# Altium PCB DB31.PcbDoc (part 3 of 8)
Units mil, origin at the board's own origin, x right, y up, seen from the top; angles counter-clockwise.
Board outline 3236.22 x 4456.69 mil, 8 copper layers (Top Layer, MidLayer1, MidLayer2, GND-Layer5, MidLayer3, VCC, MidLayer4, Bottom Layer), stack 61.8 mil thick; 226 components, 469 nets, 1815 pads, 1562 vias.
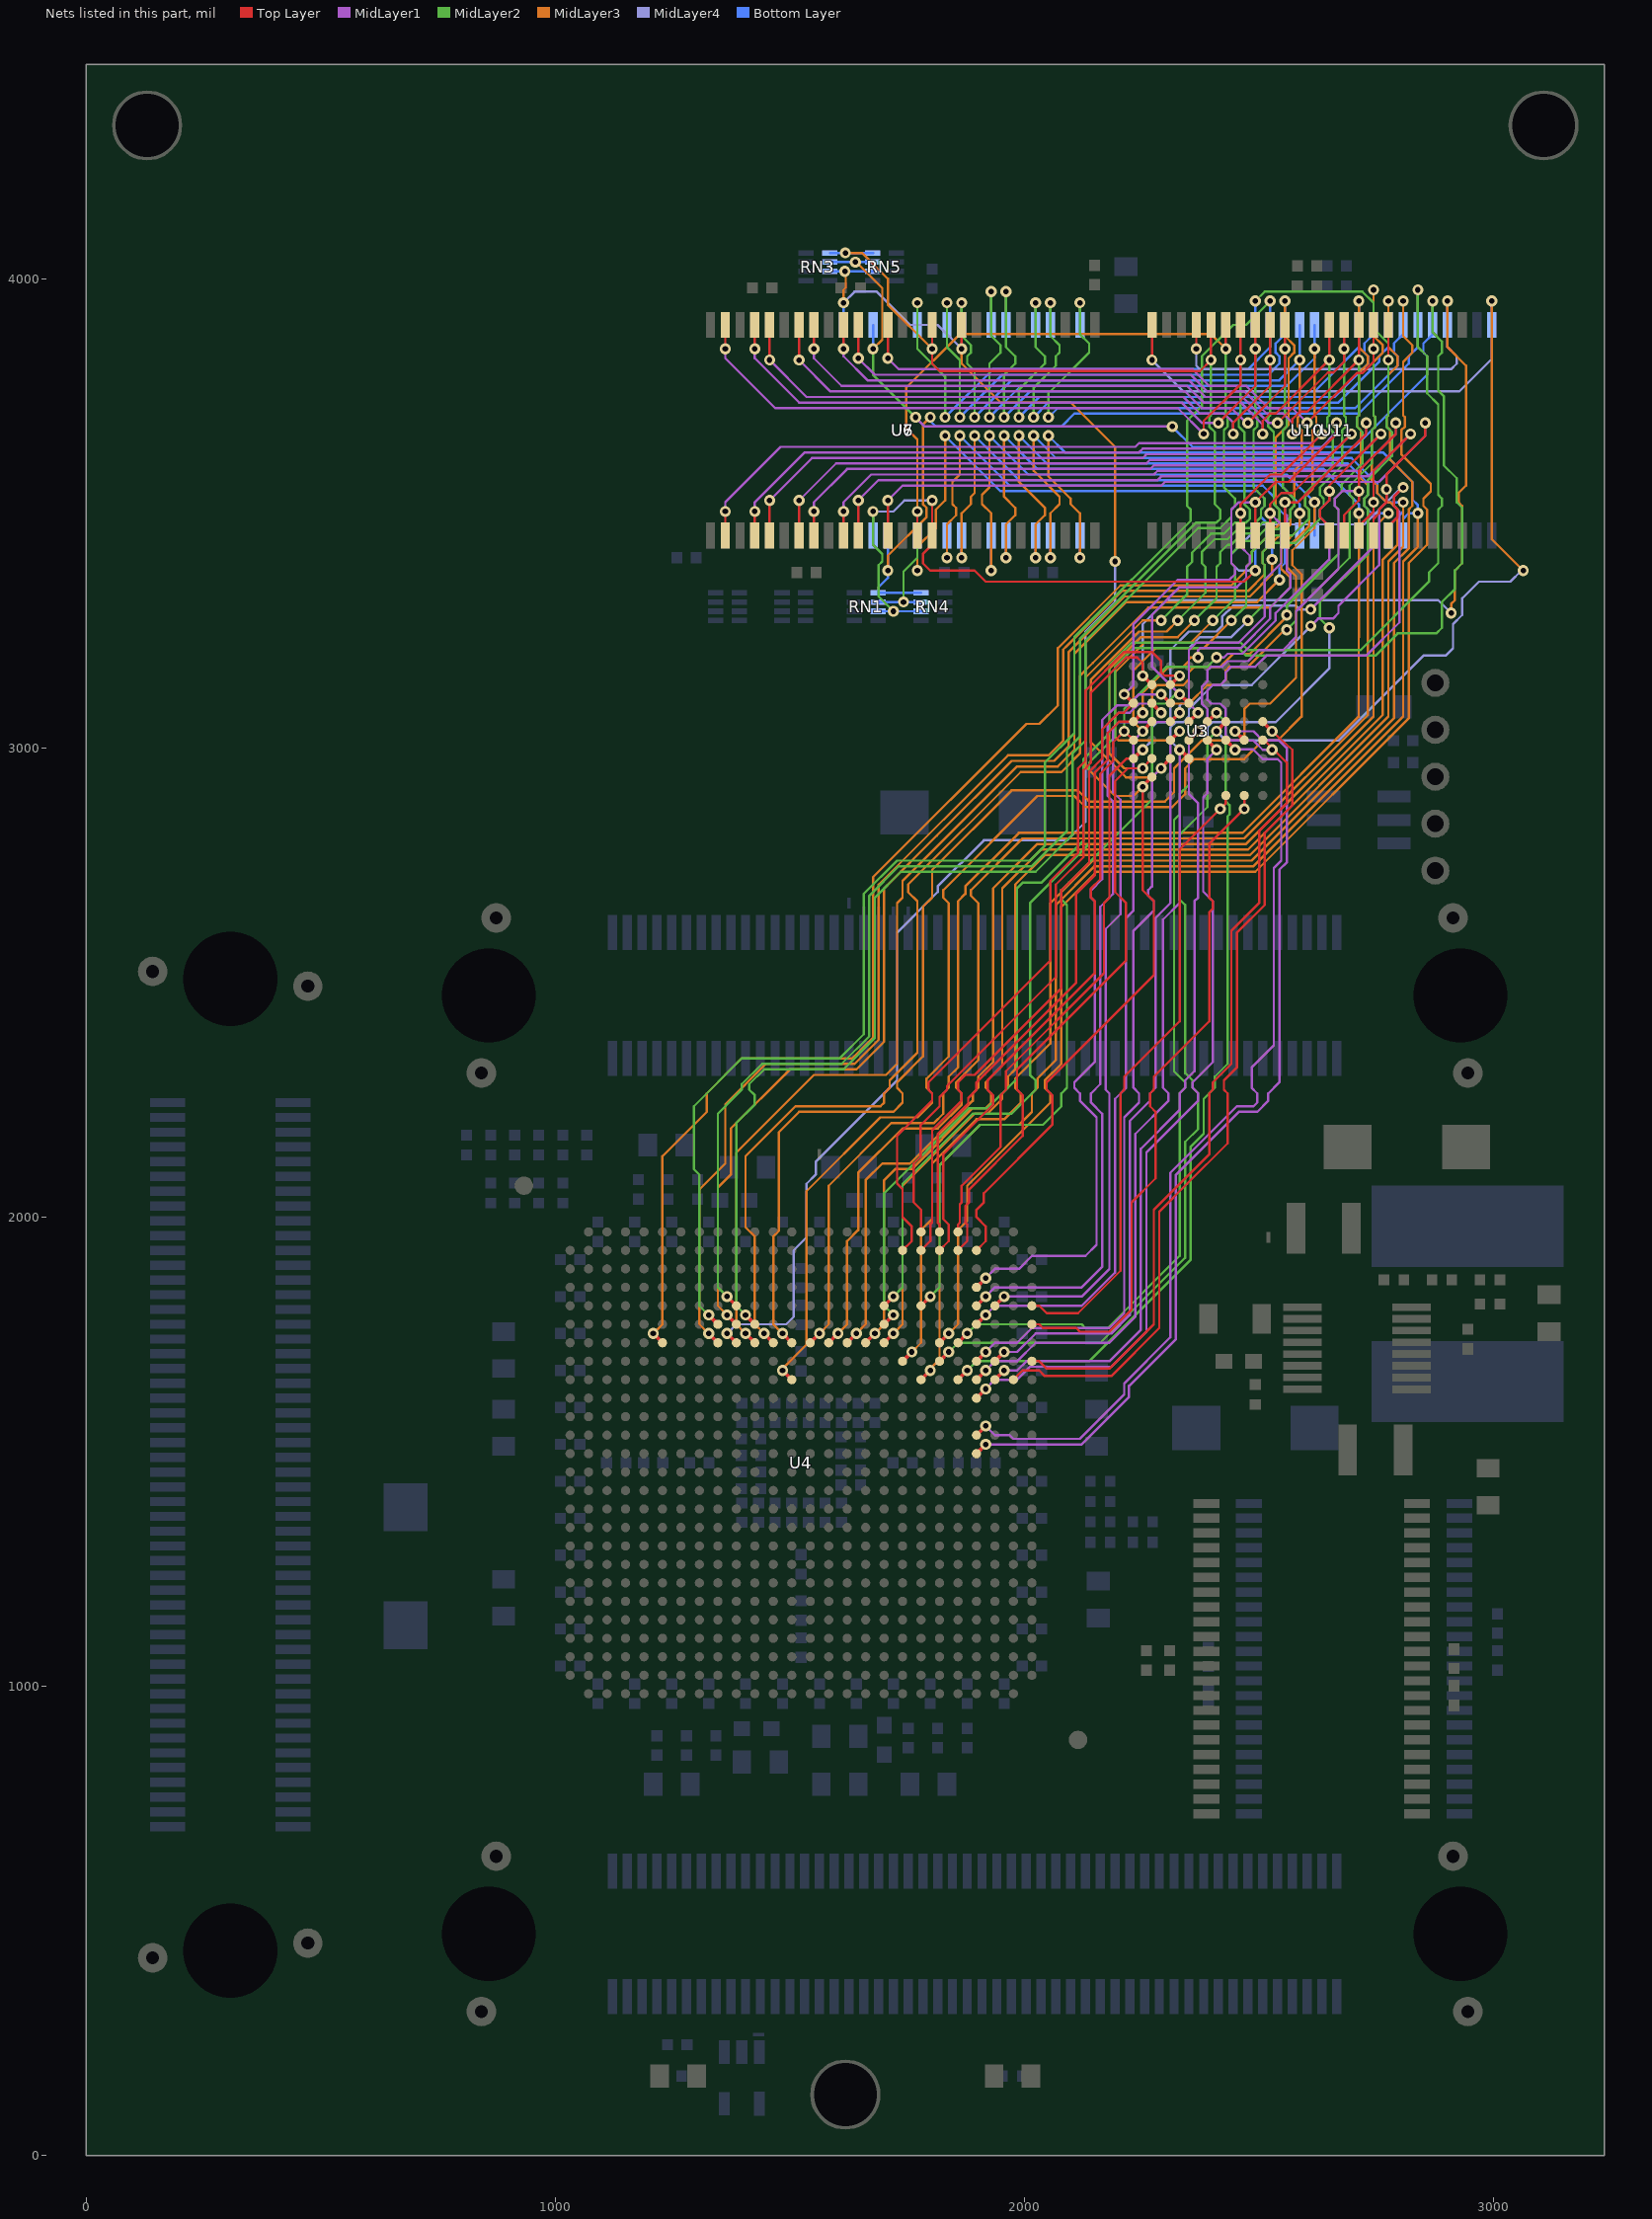
[diagram p9: the nets of this part, all layers, seen from the top]

## Via types
v1: diameter 23.62, hole 11.81, Top Layer to Bottom Layer, 947 vias
v2: diameter 23.62, hole 11.81, Top Layer to Bottom Layer, tented both sides, 476 vias
v3: diameter 27.56, hole 15.75, Top Layer to Bottom Layer, 138 vias
v4: diameter 23.62, hole 11.81, Top Layer to Bottom Layer, tented top, 1 vias

## Nets (pads, with @x,y where several pads share a name; then routed paths per layer and width w, separated by ;. In a path a pad name is that pad's centre, name@x,y a point inside that pad or via, vN(x,y) a via of type N, cw(c..) or ccw(c..) an arc to the next point about the centre after c; other vN are vias at no path point) (continued)
BUS_A19: U3.C4 U4.H21 U10.44 U11.44 | length 4321.2
  Top Layer w5: v2(2271.65,3826.77) U10.44@2271.65,3901.57
  Top Layer w7.87: U4.H21@1818.9,1692.91 v1(1838.59,1712.6) ; v1(2409.45,3035.43) U3.C4@2429.13,3056.1
  MidLayer2 w5: v1(1838.59,1712.6) 1858.27,1732.28 2078.74,1732.28 2090.55,1732.28 2161.42,1732.28 2342.52,1913.39 2342.52,2160.43 2370.08,2187.99 2370.08,2263.78 2358.27,2275.59 2358.27,2291.34 2342.52,2307.09 2342.52,2665.35 2330.71,2677.17 2330.71,2814.96 2389.76,2874.02 2389.76,3015.75 v1(2409.45,3035.43)
  MidLayer3 w5: v2(2996.06,3952.76) 2996.06,3633.86 2996.06,3444.88 v1(3062.99,3377.95)
  MidLayer4 w5: v2(2271.65,3826.77) 2338.58,3759.84 2926.67,3759.84 2996.06,3829.23 v2(2996.06,3952.76) ; v1(2409.45,3035.43) 2429.13,3015.75 2669.29,3015.75 2850.39,3196.85 2897.64,3196.85 2913.39,3212.6 2913.39,3263.78 2933.07,3283.46 2933.07,3318.9 2968.5,3354.33 3035.43,3354.33 3059.06,3377.95 v1(3062.99,3377.95)
  Bottom Layer w5: U11.44@2996.06,3901.57 v2(2996.06,3952.76)
BUS_A20: U3.D5 U4.K23 U10.28 U11.28 | length 3419.2
  Top Layer w5: v2(2775.59,3826.77) U10.28@2775.59,3901.57
  Top Layer w7.87: U4.K23@1897.64,1614.17 v1(1917.33,1633.86) ; U3.D5@2389.76,3016.73 v1(2409.45,2996.06)
  MidLayer1 w5: v1(1917.33,1633.86) 1937.01,1653.54 1984.25,1653.54 2011.81,1681.1 2078.74,1681.1 2090.55,1681.1 2185.04,1681.1 2259.84,1755.91 2259.84,2137.8 2370.08,2248.03 2370.08,2263.78 2358.27,2275.59 2358.27,2287.4 2401.57,2330.71 2401.57,2673.23 2380.91,2693.9 2380.91,2894.69 2389.76,2903.54 2389.76,2976.38 v1(2409.45,2996.06)
  MidLayer2 w5: v2(2492.13,3952.76) 2511.81,3972.44 2720.47,3972.44 2744.09,3948.82 2744.09,3893.7 2775.59,3862.21 v2(2775.59,3826.77) 2775.59,3708.66 2771.65,3704.72 2771.65,3685.04 2783.46,3673.23 2783.46,3622.05 2732.28,3570.87 2732.28,3539.37 2724.41,3531.5 2724.41,3515.75 2732.28,3507.87 2732.28,3413.39 2629.92,3311.02 2629.92,3275.59 v1(2649.61,3255.91)
  MidLayer4 w5: v1(2409.45,2996.06) 2389.76,3015.75 2389.76,3043.31 2401.57,3055.12 2535.43,3055.12 2649.61,3169.29 v1(2649.61,3255.91)
  Bottom Layer w5: U11.28@2492.13,3901.57 v2(2492.13,3952.76)
BUS_A21: U3.D4 U4.J22 | length 1840.2
  Top Layer w7.87: U4.J22@1858.27,1653.54 v1(1877.96,1673.23) ; U3.D4@2389.76,3056.1 v1(2409.45,3074.8)
  MidLayer2 w5: v1(1877.96,1673.23) 1897.64,1692.91 2078.74,1692.91 2090.55,1692.91 2137.8,1692.91 2354.33,1909.45 2354.33,2150.59 2381.89,2178.15 2381.89,2251.97 2405.51,2275.59 2405.51,2299.21 2433.07,2326.77 2433.07,2749.01 2433.07,2854.33 2437.01,2858.27 2437.01,2877.95 2429.13,2885.83 2429.13,2909.45 2429.13,3055.12 v1(2409.45,3074.8)
BUS_A22: U3.C5 U4.M23 | length 2028.4
  Top Layer w7.87: U4.M23@1897.64,1535.43 v1(1917.33,1555.12) ; U3.C5@2429.13,3016.73 v1@2448.82,2997.05
  MidLayer1 w5: v1(1917.33,1555.12) 1937.01,1535.43 1968.5,1535.43 1976.38,1527.56 2078.74,1527.56 2090.55,1527.56 2118.11,1527.56 2212.6,1622.05 2212.6,1645.67 2311.02,1744.09 2311.02,2094.49 2452.76,2236.22 2488.19,2236.22 2496.06,2244.09 2496.06,2263.78 2484.25,2275.59 2484.25,2318.9 2531.5,2366.14 2531.5,2744.09 2547.24,2759.84 2547.24,2968.5 2539.37,2976.38 2507.87,2976.38 2487.2,2997.05 v1@2448.82,2997.05
  Bottom Layer w5: v1@2447.83,2997.05 v1@2448.82,2997.05
  other v1: 2448.82,2996.06
BUS_A23: U3.B8 U4.F26 | length 1465
  Top Layer w5: U4.F26@2015.75,1771.65 2031.5,1771.65 2039.37,1763.78 2078.74,1763.78 2102.36,1763.78 2110.24,1763.78 2118.11,1755.91 2181.1,1755.91 2228.35,1803.15 2228.35,2031.5 2279.53,2082.68 2279.53,2224.41 2267.72,2236.22 2267.72,2263.78 2275.59,2271.65 2275.59,2299.21 2393.7,2417.32 2393.7,2649.61 2401.57,2657.48 2401.57,2673.23 2393.7,2681.1 2393.7,2731.56 ; 2393.7,2716.54 2393.7,2795.28 v1(2468.51,2870.08) U3.B8@2468.5,2898.62
BUS_A24: U3.C8 U4.E26 | length 1338.8
  Top Layer w5: U4.E26@2015.75,1811.02 2031.5,1811.02 2047.24,1795.28 2078.74,1795.28 2090.06,1795.28 2114.17,1795.28 2204.72,1885.83 2204.72,2263.78 2212.6,2271.65 2212.6,2299.21 2330.71,2417.32 2330.71,2783.46 v1(2417.32,2870.08) 2429.14,2881.89 U3.C8@2429.13,2898.62
BUS_D0: U3.E3 U4.E20 U6.2 U10.7 | length 3960.5
  Top Layer w5: U6.2@1362.21,3452.76 v2(1362.2,3503.93) ; U10.7@2460.63,3452.76 v1(2460.63,3500) 2460.63,3519.69 2523.62,3582.68 2547.24,3582.68 v2(2633.86,3669.29)
  Top Layer w7.87: U4.E20@1779.53,1811.02 v1(1799.21,1830.71) ; v1(2330.71,3114.17) U3.E3@2350.4,3095.48
  MidLayer1 w5: v2(1362.2,3503.93) 1362.2,3523.62 1480.31,3641.73 2236.22,3641.73 2244.09,3649.61 2614.17,3649.61 v2(2633.86,3669.29) ; v1(2330.71,3114.17) 2271.65,3173.23 2271.65,3283.46 2330.71,3342.52 2452.76,3342.52 2472.44,3362.2 2472.44,3385.83 2480.31,3393.7 2480.31,3409.45 2460.63,3429.13 v1(2460.63,3500)
  MidLayer2 w5: v1(1799.21,1830.71) 1818.9,1850.39 1818.9,2031.5 1818.9,2039.37 1818.9,2110.24 1905.51,2196.85 2039.37,2196.85 2078.74,2236.22 2078.74,2263.78 2090.55,2275.59 2090.55,2665.35 2078.74,2677.17 2078.74,2696.85 2094.49,2712.6 ; 2084.64,2702.76 2271.65,2889.77 2271.65,3086.61 2279.53,3094.49 2302.17,3094.49 2321.85,3114.17 v1(2330.71,3114.17)
BUS_D1: U3.H3 U4.B20 U6.4 U10.8 | length 3743.3
  Top Layer w5: U6.4@1425.2,3452.76 v2(1425.19,3503.93) ; U4.B20@1779.53,1929.13 1799.21,1948.82 1799.21,1984.25 1803.15,1988.19 1803.15,2031.5 1803.15,2039.37 1803.15,2185.04 1866.14,2248.03 1866.14,2263.78 1858.27,2271.65 1858.27,2287.4 1874.02,2303.15 1893.7,2303.15 2078.74,2488.19 2078.74,2696.85 2137.8,2755.91 2137.8,2949.54 2165.35,2977.1 2165.35,3039.37 2201.28,3075.3 2212.1,3075.3 U3.H3@2232.29,3095.48 ; U10.8@2492.13,3452.76 v1(2492.13,3523.62) 2535.43,3566.93 2562.99,3566.93 2665.35,3669.29 v2(2665.35,3692.91)
  Top Layer w7.87: v1(2212.6,3114.17) U3.H3@2232.29,3095.48
  MidLayer1 w5: v2(1425.19,3503.93) 1425.19,3523.62 1531.5,3629.92 2244.09,3629.92 2251.97,3637.8 2629.92,3637.8 2665.35,3673.23 v2(2665.35,3692.91) ; v1(2212.6,3114.17) 2232.28,3133.86 2232.28,3263.78 2326.77,3358.27 2437.01,3358.27 2448.82,3370.08 2448.82,3385.83 2440.94,3393.7 2440.94,3507.87 2456.69,3523.62 v1(2492.13,3523.62)
BUS_D2: U3.E4 U4.G22 U6.5 U10.9 | length 4029.6
  Top Layer w5: U6.5@1456.69,3452.76 v2(1456.69,3527.55) ; U10.9@2523.62,3452.76 v1(2523.62,3500) 2523.62,3519.69 2547.24,3543.31 2570.87,3543.31 v2(2696.85,3669.29)
  Top Layer w7.87: U4.G22@1858.27,1732.28 v1(1877.95,1751.97) ; U3.E4@2350.39,3056.1 v1(2370.08,3074.81)
  MidLayer1 w5: v2(1456.69,3527.55) 1547.24,3618.11 2251.97,3618.11 2259.84,3625.98 2653.54,3625.98 v2(2696.85,3669.29) ; v1(2370.08,3074.81) 2350.39,3094.5 2350.39,3208.66 2366.14,3224.41 2456.69,3224.41 2511.81,3279.53 2511.81,3358.27 2547.24,3393.7 2547.24,3476.38 v1(2523.62,3500)
  MidLayer2 w5: v1(1877.95,1751.97) 1897.64,1771.65 2082.68,1771.65 2090.55,1771.65 2122.05,1771.65 2129.92,1763.78 2177.17,1763.78 2330.71,1917.32 2330.71,2263.78 2342.52,2275.59 2342.52,2287.4 2318.9,2311.02 2318.9,2846.46 2330.71,2858.27 2330.71,2901.57 2350.39,2921.26 2350.39,3055.12 v1(2370.08,3074.81)
BUS_D3: U3.H4 U4.A21 U6.7 U10.10 | length 3663.5
  Top Layer w5: U6.7@1519.69,3452.76 v2(1519.68,3527.56) ; U4.A21@1818.9,1968.5 1818.9,1984.25 1814.96,1988.19 1814.96,2031.5 1814.96,2039.37 1814.96,2177.17 1879.92,2242.13 1879.92,2253.94 1897.64,2271.65 1897.64,2287.4 2110.24,2500 2110.24,2688.98 2149.61,2728.35 2149.61,2947.21 2177.17,2974.77 2177.17,3031.5 2201.78,3056.11 U3.H4@2232.28,3056.1 ; U10.10@2555.12,3452.76 v1(2555.12,3523.62) 2582.68,3523.62 2640.75,3581.69 2728.35,3669.29 v2(2728.35,3692.91)
  Top Layer w7.87: U3.H4@2232.28,3056.1 v1@2251.47,3075.3
  MidLayer1 w5: v2(1519.68,3527.56) 1598.43,3606.3 2259.84,3606.3 2267.72,3614.17 2673.23,3614.17 2728.35,3669.29 v2(2728.35,3692.91) ; v1(2370.08,3192.91) 2370.08,3208.66 2374.02,3212.6 2460.63,3212.6 2523.62,3275.59 2523.62,3299.21 2566.93,3342.52 2566.93,3370.08 2559.06,3377.95 2559.06,3496.06 2555.12,3500 v1(2555.12,3523.62)
  MidLayer3 w5: v1(2251.97,3074.8) 2251.97,3118.11 2255.91,3122.05 2307.09,3173.23 2338.58,3173.23 2350.39,3185.04 2350.39,3188.98 2354.33,3192.91 v1(2370.08,3192.91)
BUS_D4: U3.H5 U4.B21 U6.8 U10.13 | length 3728.5
  Top Layer w5: U6.8@1551.18,3452.76 v2(1551.18,3503.94) ; U4.B21@1818.9,1929.13 1838.58,1948.82 1838.58,1984.25 1826.77,1996.06 1826.77,2031.5 1826.77,2039.37 1826.77,2133.86 1933.07,2240.16 1933.07,2259.84 1921.26,2271.65 1921.26,2291.34 2149.61,2519.69 2149.61,2673.23 2141.73,2681.1 2141.73,2700.79 2161.42,2720.47 2161.42,2944.88 2188.98,2972.44 2188.98,3011.81 v1(2212.6,3035.43) U3.H5@2232.28,3016.73 ; U10.13@2649.61,3452.76 2649.61,3472.44 2629.92,3492.13 2629.92,3507.87 2649.61,3527.56 v1(2649.61,3547.24) 2649.61,3559.06 v2(2759.84,3669.29)
  MidLayer1 w5: v2(1551.18,3503.94) 1551.18,3523.62 1622.05,3594.49 2267.72,3594.49 2275.59,3602.36 2692.91,3602.36 v2(2759.84,3669.29) ; v1(2409.45,3192.91) 2425.2,3192.91 2433.07,3200.79 2464.57,3200.79 2535.43,3271.65 2535.43,3287.4 2649.61,3401.57 2649.61,3472.44 2629.92,3492.13 2629.92,3507.87 2649.61,3527.56 v1(2649.61,3547.24)
  MidLayer2 w5: v1(2212.6,3035.43) 2212.6,3082.68 2303.15,3173.23 2389.76,3173.23 v1(2409.45,3192.91)
BUS_D5: U3.E5 U4.J24 U6.10 U10.14 | length 4118.2
  Top Layer w5: U6.10@1614.17,3452.76 v2(1614.17,3503.93) ; U10.14@2681.1,3452.76 2681.1,3496.06 2712.6,3527.56 v1(2712.6,3547.24) 2712.6,3590.55 2791.34,3669.29 v2(2791.34,3692.91)
  Top Layer w7.87: U4.J24@1937.01,1653.54 v1(1956.7,1673.23) ; U3.E5@2350.39,3016.73 v1(2370.08,3035.43)
  MidLayer1 w5: v2(1614.17,3503.93) 1614.17,3523.62 1673.23,3582.68 2275.59,3582.68 2283.46,3590.55 2712.6,3590.55 2791.34,3669.29 v2(2791.34,3692.91) ; v1(1956.7,1673.23) 1984.25,1673.23 2003.94,1692.91 2078.74,1692.91 2090.55,1692.91 2181.1,1692.91 2248.03,1759.84 2248.03,2145.67 2330.71,2228.35 2330.71,2263.78 2342.52,2275.59 2342.52,2291.34 2362.2,2311.02 2362.2,2673.23 2370.08,2681.1 2370.08,2720.47 ; 2370.08,2704.72 2370.08,2720.47 ; v1(2712.6,3547.24) 2677.17,3547.24 2661.42,3531.5 2661.42,3515.75 2669.29,3507.87 2669.29,3381.89 2578.74,3291.34 2578.74,3236.22 2551.18,3208.66 2500,3208.66 2476.38,3185.04 2433.07,3185.04 2421.26,3173.23 2397.64,3173.23 2389.76,3165.35 2389.76,3141.73 2377.95,3129.92 2377.95,3094.49 2389.76,3082.68 2389.76,3055.12 v1(2370.08,3035.43) 2350.39,3015.75 2350.39,2901.57 2370.08,2881.89 2370.08,2720.47
BUS_D6: U3.H6 U4.A22 U6.11 U10.15 | length 3658.7
  Top Layer w5: U6.11@1645.67,3452.76 v2(1645.66,3527.55) ; U4.A22@1858.27,1968.5 1858.27,1984.25 1862.2,1988.19 1862.2,2027.56 1866.14,2031.5 1866.14,2039.37 1866.14,2066.93 1948.82,2149.6 1948.82,2259.84 1960.63,2271.65 1960.63,2311.02 2169.29,2519.69 2169.29,2669.29 2181.1,2681.1 2181.1,2940.94 2217.52,2977.37 U3.H6@2232.28,2977.36 ; U10.15@2712.6,3452.76 2712.6,3472.44 2744.09,3503.94 v1(2744.09,3523.62) 2744.09,3590.55 v2(2822.83,3669.29)
  Top Layer w7.87: U3.H6@2232.28,2977.36 2251.47,2996.56 v1@2251.97,2997.05
  MidLayer1 w5: v2(1645.66,3527.55) 1688.98,3570.87 2283.46,3570.87 2291.34,3578.74 2732.28,3578.74 v2(2822.83,3669.29) ; v1(2610.24,3295.28) 2744.09,3429.13 v1(2744.09,3523.62)
  MidLayer4 w5: v1(2251.97,2996.06) 2271.65,3015.75 2271.65,3043.31 2283.46,3055.12 2303.15,3055.12 2311.02,3062.99 2311.02,3208.66 2350.39,3248.03 2409.45,3248.03 2421.26,3259.84 2421.26,3279.53 2444.88,3303.15 2578.74,3303.15 2586.61,3295.28 v1(2610.24,3295.28)
BUS_D7: U3.E6 U4.J23 U6.13 U10.16 | length 4121.2
  Top Layer w5: U6.13@1708.66,3452.76 v2(1708.66,3527.55) ; U10.16@2744.09,3452.76 2744.09,3488.19 2755.91,3500 2755.91,3507.87 2771.65,3523.62 v1(2771.65,3551.18) 2771.65,3582.68 2854.33,3665.35 v2(2854.33,3692.91)
  Top Layer w7.87: U4.J23@1897.64,1653.54 v1(1917.33,1673.23) ; v1@2330.71,2997.05 2331.2,2996.56 U3.E6@2350.39,2977.36
  MidLayer1 w5: v2(1708.66,3527.55) 1740.16,3559.06 2291.34,3559.06 2299.21,3566.93 2755.91,3566.93 2854.33,3665.35 v2(2854.33,3692.91) ; v1(1917.33,1673.23) 1937.01,1692.91 1984.25,1692.91 2023.62,1732.28 2078.74,1732.28 2090.55,1732.28 2181.1,1732.28 2236.22,1787.4 2236.22,2177.17 2307.09,2248.03 2307.09,2263.78 2295.28,2275.59 2295.27,2633.86 2330.71,2669.29 2330.71,2700.79 ; 2330.71,2681.1 v1(2330.71,2996.06) v1@2330.71,2997.05 ; v1(2610.24,3259.84) 2625.98,3275.59 2657.48,3275.59 2669.29,3287.4 2669.29,3303.15 2755.91,3389.76 2755.91,3507.87 2771.65,3523.62 v1(2771.65,3551.18)
  MidLayer4 w5: v1(2330.71,2996.06) 2311.02,3015.75 2311.02,3043.31 2322.83,3055.12 2338.58,3055.12 2350.39,3066.93 2350.39,3082.68 2401.57,3133.86 2484.25,3133.86 v1(2610.24,3259.84)
BUS_D8: U3.F3 U4.D23 U6.42 U10.29 | length 3972.1
  Top Layer w5: v2(1708.66,3830.71) U6.42@1708.66,3901.57 ; v2(2602.36,3692.91) 2708.17,3798.72 2719.98,3798.72 2744.09,3822.83 v2(2744.09,3850.39) U10.29@2744.09,3901.57
  Top Layer w7.87: U4.D23@1897.64,1850.39 v1(1917.33,1870.08) ; v1@2291.34,3115.16 2291.83,3114.67 U3.F3@2311.03,3095.48
  MidLayer1 w5: v2(1708.66,3830.71) 1732.28,3807.09 2358.27,3807.09 2393.7,3771.65 2472.44,3771.65 2519.69,3724.41 2570.87,3724.41 v2(2602.36,3692.91) ; v1(1917.33,1870.08) 1937.01,1889.76 1988.19,1889.76 2015.75,1917.32 2078.74,1917.32 2090.55,1917.32 2129.92,1917.32 2153.54,1940.94 2153.54,2212.6 2118.11,2248.03 2118.11,2263.78 2106.3,2275.59 2106.3,2287.4 2149.61,2330.71 2149.61,2645.67 2149.61,2673.23 2141.73,2681.1 2141.73,2696.85 2165.35,2720.47 2165.35,3059.06 2196.85,3090.55 2220.47,3090.55 2244.09,3114.17 v1(2291.34,3114.17)
  MidLayer2 w5: v1(2559.06,3251.97) 2578.74,3271.65 2578.74,3291.34 2692.91,3405.51 2692.91,3507.87 2700.79,3515.75 2700.79,3531.5 2692.91,3539.37 2692.91,3559.06 2740.16,3606.3 2740.16,3677.17 2748.03,3685.04 2748.03,3704.72 2744.09,3708.66 v2(2744.09,3850.39)
  MidLayer3 w5: v1(2291.34,3114.17) 2311.02,3094.49 2350.39,3094.49 2389.76,3133.86 2417.32,3133.86 2429.13,3145.67 2429.13,3165.35 2437.01,3173.23 2476.38,3173.23 2555.12,3251.97 v1(2559.06,3251.97)
BUS_D9: U3.G3 U4.E23 U6.44 U10.30 | length 4107.5
  Top Layer w5: v2(1645.67,3830.71) U6.44@1645.67,3901.57 ; v2(2570.87,3669.29) 2570.87,3700.79 2586.61,3716.54 2602.36,3716.54 v2(2712.6,3826.77) U10.30@2712.6,3901.57
  Top Layer w7.87: U4.E23@1897.64,1811.02 v1(1917.33,1830.71) ; U3.G3@2271.65,3095.48 v1(2291.34,3074.8)
  MidLayer1 w5: v2(1645.67,3830.71) 1681.1,3795.28 2354.33,3795.28 2389.76,3759.84 2469,3759.84 2516.24,3712.6 2551.18,3712.6 2570.87,3692.91 v2(2570.87,3669.29) ; v1(1917.33,1830.71) 1937.01,1850.39 2078.74,1850.39 2090.55,1850.39 2122.05,1850.39 2165.35,1893.7 2165.35,2220.47 2141.73,2244.09 2141.73,2263.78 2161.42,2283.46 2161.42,2661.42 2188.98,2688.98 2188.98,2724.41 ; 2188.98,2700.79 2188.98,2885.83 2177.17,2897.64 2177.17,3051.18 2200.79,3074.8 2224.41,3074.8 2244.09,3094.49 2271.65,3094.49 v1(2291.34,3074.8)
  MidLayer2 w5: v1(2559.06,3283.46) 2559.06,3303.15 2669.29,3413.39 2669.29,3507.87 2661.42,3515.75 2661.42,3531.5 2676.18,3546.26 2676.18,3562.01 2720.47,3606.3 2720.47,3673.23 2708.66,3685.04 2708.66,3704.72 2712.6,3708.66 v2(2712.6,3826.77)
  MidLayer3 w5: v1(2291.34,3074.8) 2271.65,3094.49 2271.65,3122.05 2283.46,3133.86 2338.58,3133.86 2350.39,3145.67 2350.39,3161.42 2362.2,3173.23 2417.32,3173.23 2444.88,3200.79 2480.31,3200.79 2559.06,3279.53 v1(2559.06,3283.46)
BUS_D10: U3.F4 U4.E24 U6.45 U10.31 | length 3968.9
  Top Layer w5: v2(1614.17,3850.39) U6.45@1614.17,3901.57 ; v2@2537.4,3694.88 2539.37,3694.88 2541.34,3694.88 2646.65,3800.2 2658.46,3800.2 2681.1,3822.83 v2(2681.1,3850.39) U10.31@2681.1,3901.57
  Top Layer w7.87: U4.E24@1937.01,1811.02 v1(1956.7,1830.71) ; U3.F4@2311.02,3056.1 v1(2330.71,3074.8)
  MidLayer1 w5: v2(1614.17,3850.39) 1614.17,3834.65 1665.35,3783.46 2350.39,3783.46 2385.83,3748.03 2464.57,3748.03 2519.69,3692.91 v2(2539.37,3692.91) ; v1(1956.7,1830.71) 2078.74,1830.71 2090.55,1830.71 2122.05,1830.71 2181.1,1889.76 2181.1,2263.78 2173.23,2271.66 2173.23,2614.17 2204.72,2645.67 2204.72,2889.76 2188.98,2905.51 2188.98,3043.31 2200.79,3055.12 2311.02,3055.12 v1(2330.71,3074.8)
  MidLayer2 w5: v1(2476.38,3271.65) 2511.81,3307.09 2511.81,3389.76 2507.87,3393.7 2507.87,3417.32 2527.56,3437.01 2578.74,3437.01 2629.92,3488.19 2629.92,3507.87 2637.8,3515.75 2637.8,3531.5 2629.92,3539.37 2629.92,3555.12 2677.16,3602.36 2677.16,3677.17 2685.04,3685.04 2685.04,3704.72 2681.1,3708.66 v2(2681.1,3850.39)
  MidLayer4 w5: v1(2330.71,3074.8) 2330.71,3090.55 2334.65,3094.49 2342.52,3094.49 2350.39,3102.36 2350.39,3212.6 2374.02,3236.22 2440.94,3236.22 v1(2476.38,3271.65)
BUS_D11: U3.G4 U4.F23 U6.47 U10.32 | length 4029.9
  Top Layer w5: v2(1551.18,3850.39) U6.47@1551.18,3901.57 ; v2(2507.87,3669.29) 2507.87,3696.85 2523.62,3712.6 2535.43,3712.6 v2(2649.61,3826.77) U10.32@2649.61,3901.57
  Top Layer w7.87: U4.F23@1897.64,1771.65 v1(1917.33,1791.34) ; v1(2251.97,3035.43) U3.G4@2271.65,3056.1
  MidLayer1 w5: v2(1551.18,3850.39) 1551.18,3830.71 1610.24,3771.65 2346.46,3771.65 2381.89,3736.22 2460.63,3736.22 2507.87,3688.98 v2(2507.87,3669.29) ; v1(1917.33,1791.34) 1937.01,1811.02 1976.38,1811.02 2078.74,1811.02 2090.55,1811.02 2122.05,1811.02 2192.91,1881.89 2192.91,2251.97 2216.53,2275.59 2216.54,2637.8 2232.28,2653.54 2232.28,2669.29 2232.28,3015.75 v1(2251.97,3035.43)
  MidLayer2 w5: v1(2440.94,3271.65) 2472.44,3303.15 2472.44,3385.83 2484.25,3397.64 2484.25,3417.32 2519.69,3452.76 2570.87,3452.76 2606.3,3488.19 2606.3,3507.87 2598.43,3515.75 2598.43,3543.31 2657.48,3602.36 2657.48,3673.23 2645.67,3685.04 2645.67,3704.72 2649.61,3708.66 v2(2649.61,3826.77)
  MidLayer3 w5: v1(2251.97,3035.43) 2232.28,3055.12 2232.28,3165.35 2279.53,3212.6 2381.89,3212.6 v1(2440.94,3271.65)
BUS_D12: U3.F5 U4.H24 U6.48 U10.35 | length 4217.9
  Top Layer w5: v2(1519.68,3826.77) U6.48@1519.69,3901.57 ; v2(2476.38,3692.91) 2555.12,3771.65 v2(2555.12,3850.39) U10.35@2555.12,3901.57
  Top Layer w7.87: U4.H24@1937.01,1692.91 v1(1956.7,1712.6) ; U3.F5@2311.02,3016.73 v1(2330.71,3035.43)
  MidLayer1 w5: v2(1519.68,3826.77) 1586.6,3759.84 2342.52,3759.84 2377.95,3724.41 2440.94,3724.41 2472.44,3692.91 v2(2476.38,3692.91) ; v1(1956.7,1712.6) 1984.25,1712.6 2023.62,1751.97 2078.74,1751.97 2090.55,1751.97 2185.04,1751.97 2224.41,1791.34 2224.41,2204.72 2267.72,2248.03 2267.72,2263.78 2279.53,2275.59 2279.53,2637.79 2311.02,2669.29 2311.02,3015.75 v1(2330.71,3035.43) 2330.22,3035.93 v1@2326.78,3039.37
  MidLayer2 w5: v1(2401.57,3271.65) 2448.82,3318.9 2448.82,3385.83 2440.94,3393.7 2440.94,3413.39 2468.5,3440.94 2488.19,3440.94 2513.78,3466.54 2541.34,3466.54 2547.24,3472.44 2566.93,3492.13 2566.93,3507.87 2574.8,3515.75 2574.8,3531.5 2555.12,3551.18 2551.18,3555.12 2551.18,3677.17 2559.05,3685.04 2559.05,3704.72 2555.12,3708.66 v2(2555.12,3850.39)
  MidLayer3 w5: v1(2330.71,3035.43) 2311.02,3015.75 2200.79,3015.75 2192.91,3023.62 2192.91,3161.42 2255.91,3224.41 2354.33,3224.41 v1(2401.57,3271.65)
BUS_D13: U3.G6 U4.B22 U6.50 U10.36 | length 3854.6
  Top Layer w5: v2(1456.69,3826.77) U6.50@1456.69,3901.57 ; U4.B22@1858.27,1929.13 1877.95,1948.82 1877.95,1984.25 1874.02,1988.19 1874.02,2023.62 1881.89,2031.5 1881.89,2039.37 1881.89,2059.05 1996.06,2173.23 1996.06,2259.84 1984.25,2271.65 1984.25,2314.96 2216.54,2547.24 2216.54,2669.29 2192.91,2692.91 2192.91,2838.58 ; 2192.91,2822.83 2192.91,2929.14 2220.47,2956.69 v1(2251.97,2956.69) ; v1@2251.97,2957.68 U3.G6@2271.65,2977.36 ; v2(2444.88,3669.29) 2444.88,3692.91 2523.62,3771.65 v2(2523.62,3826.77) U10.36@2523.62,3901.57